# KiCad board TFLN_AI_NODE_X2.kicad_pcb
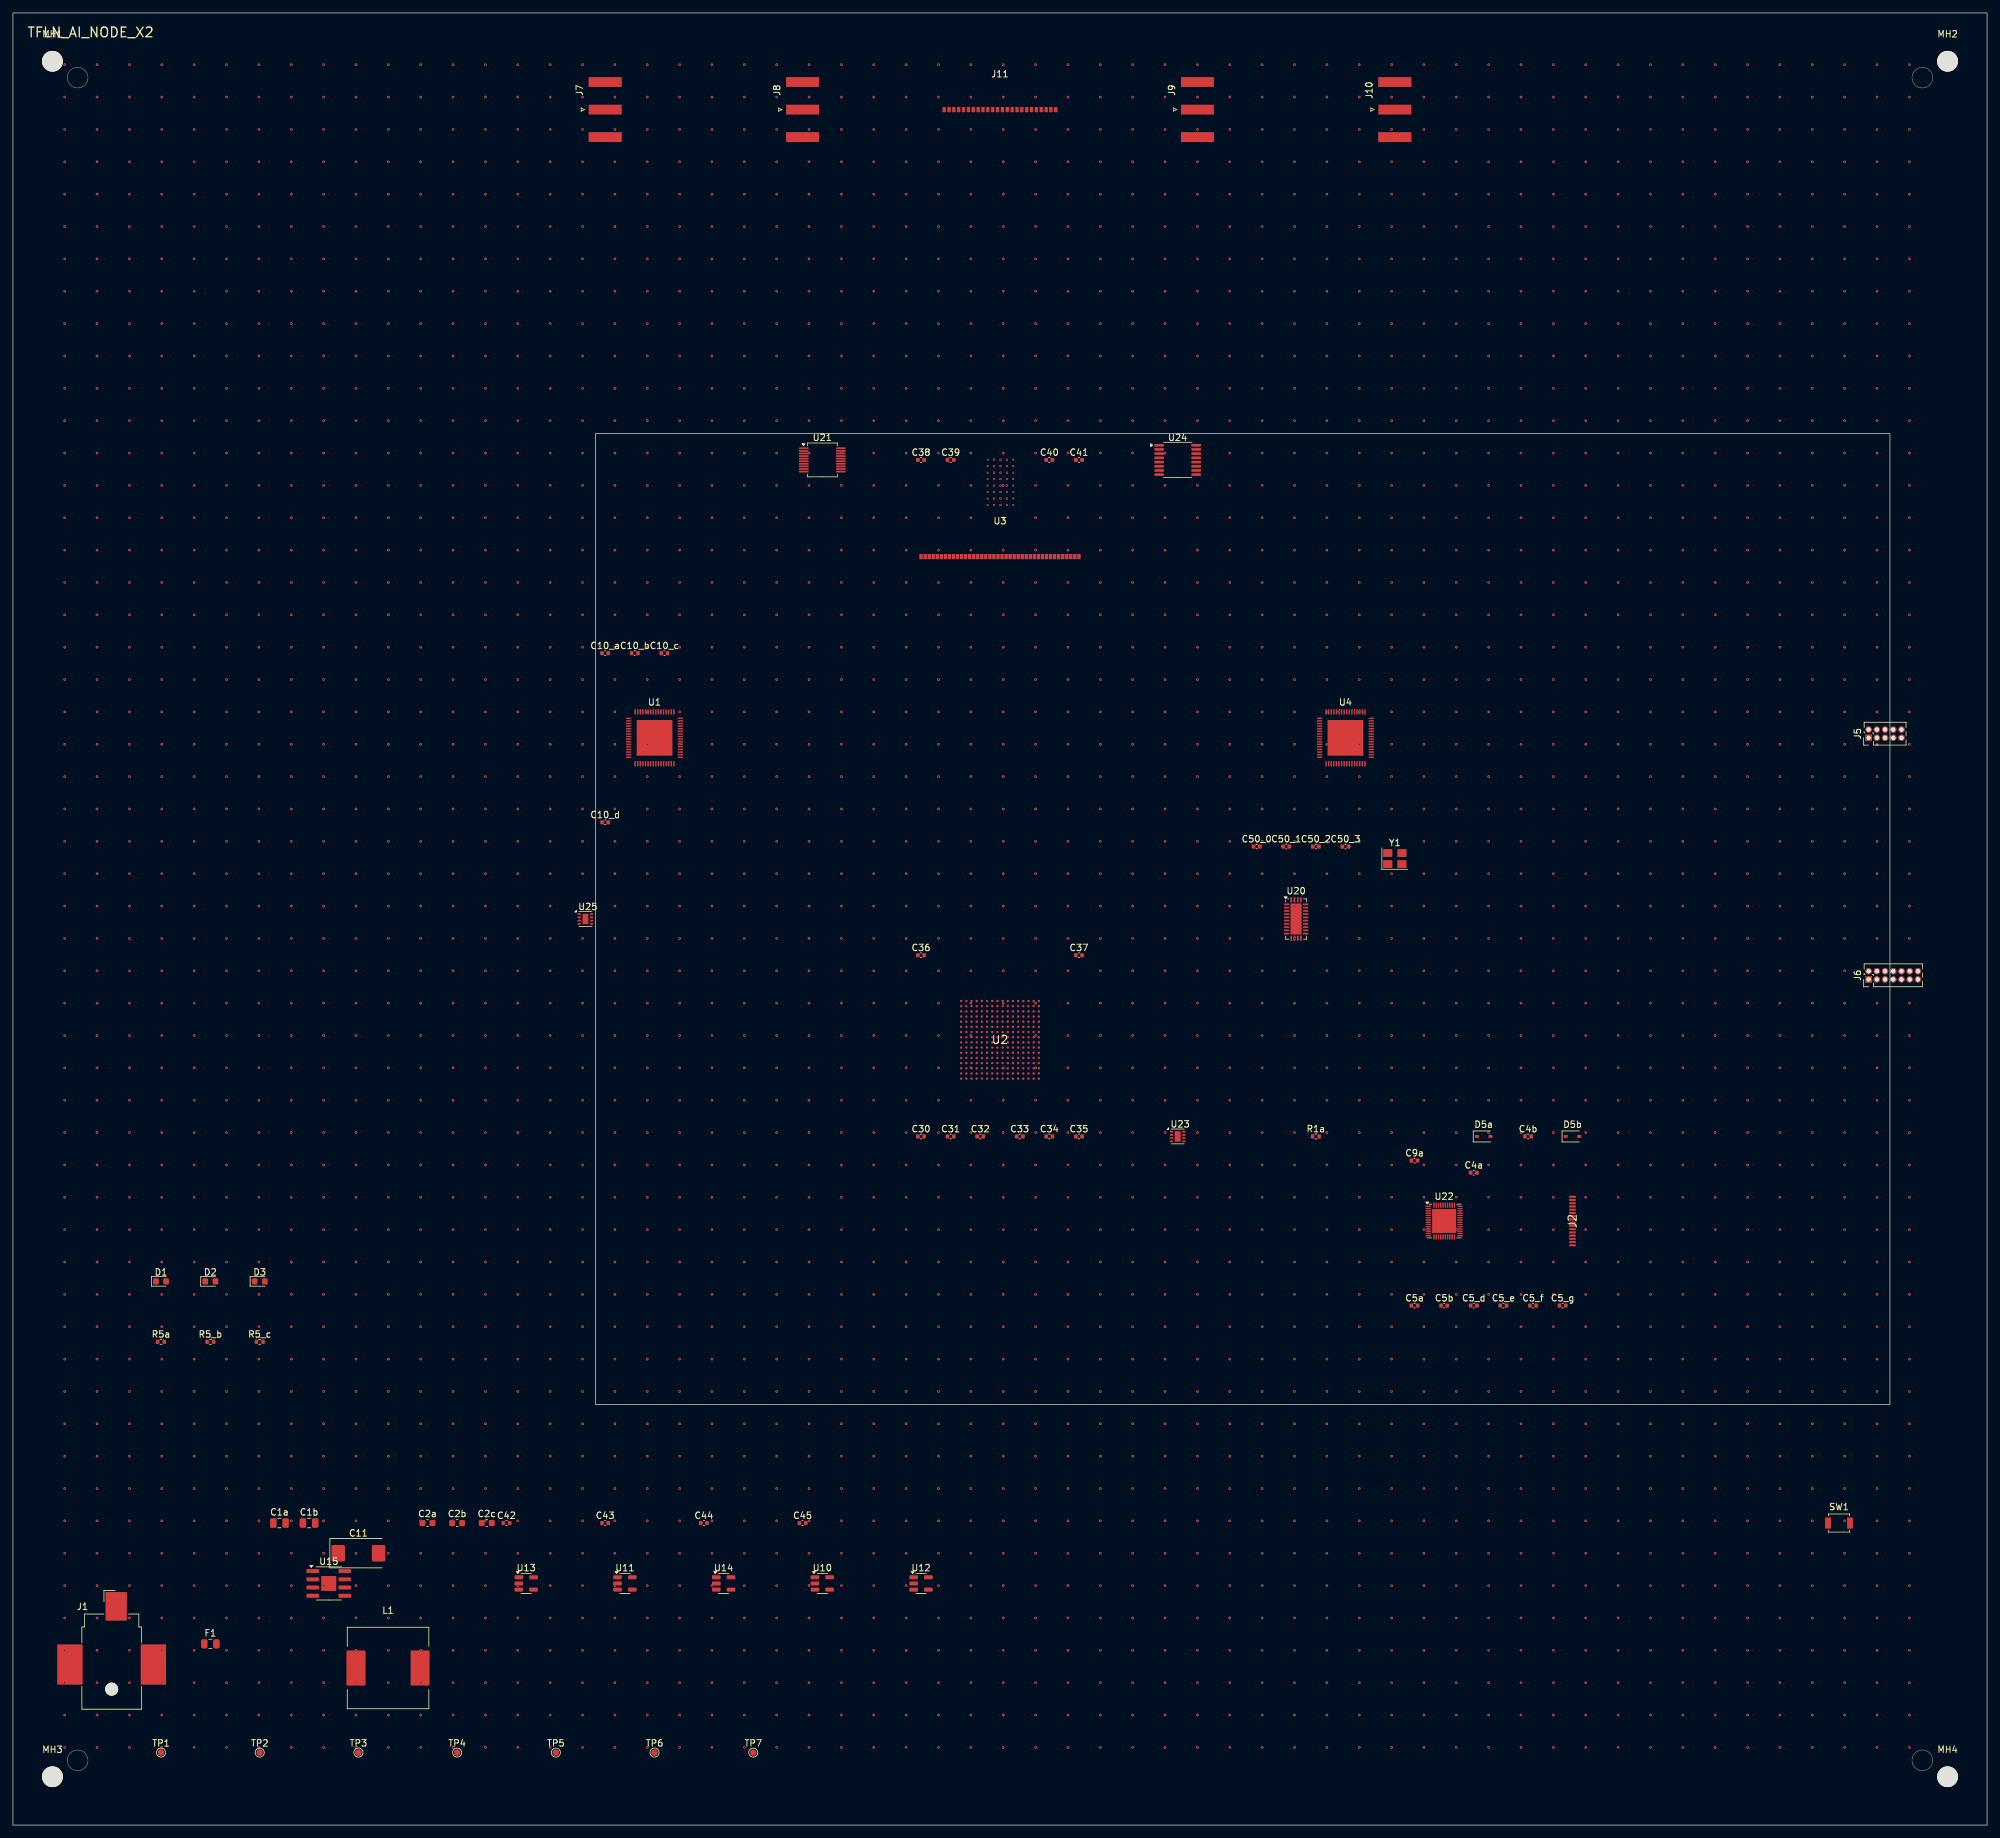
[diagram p0: board, top side]
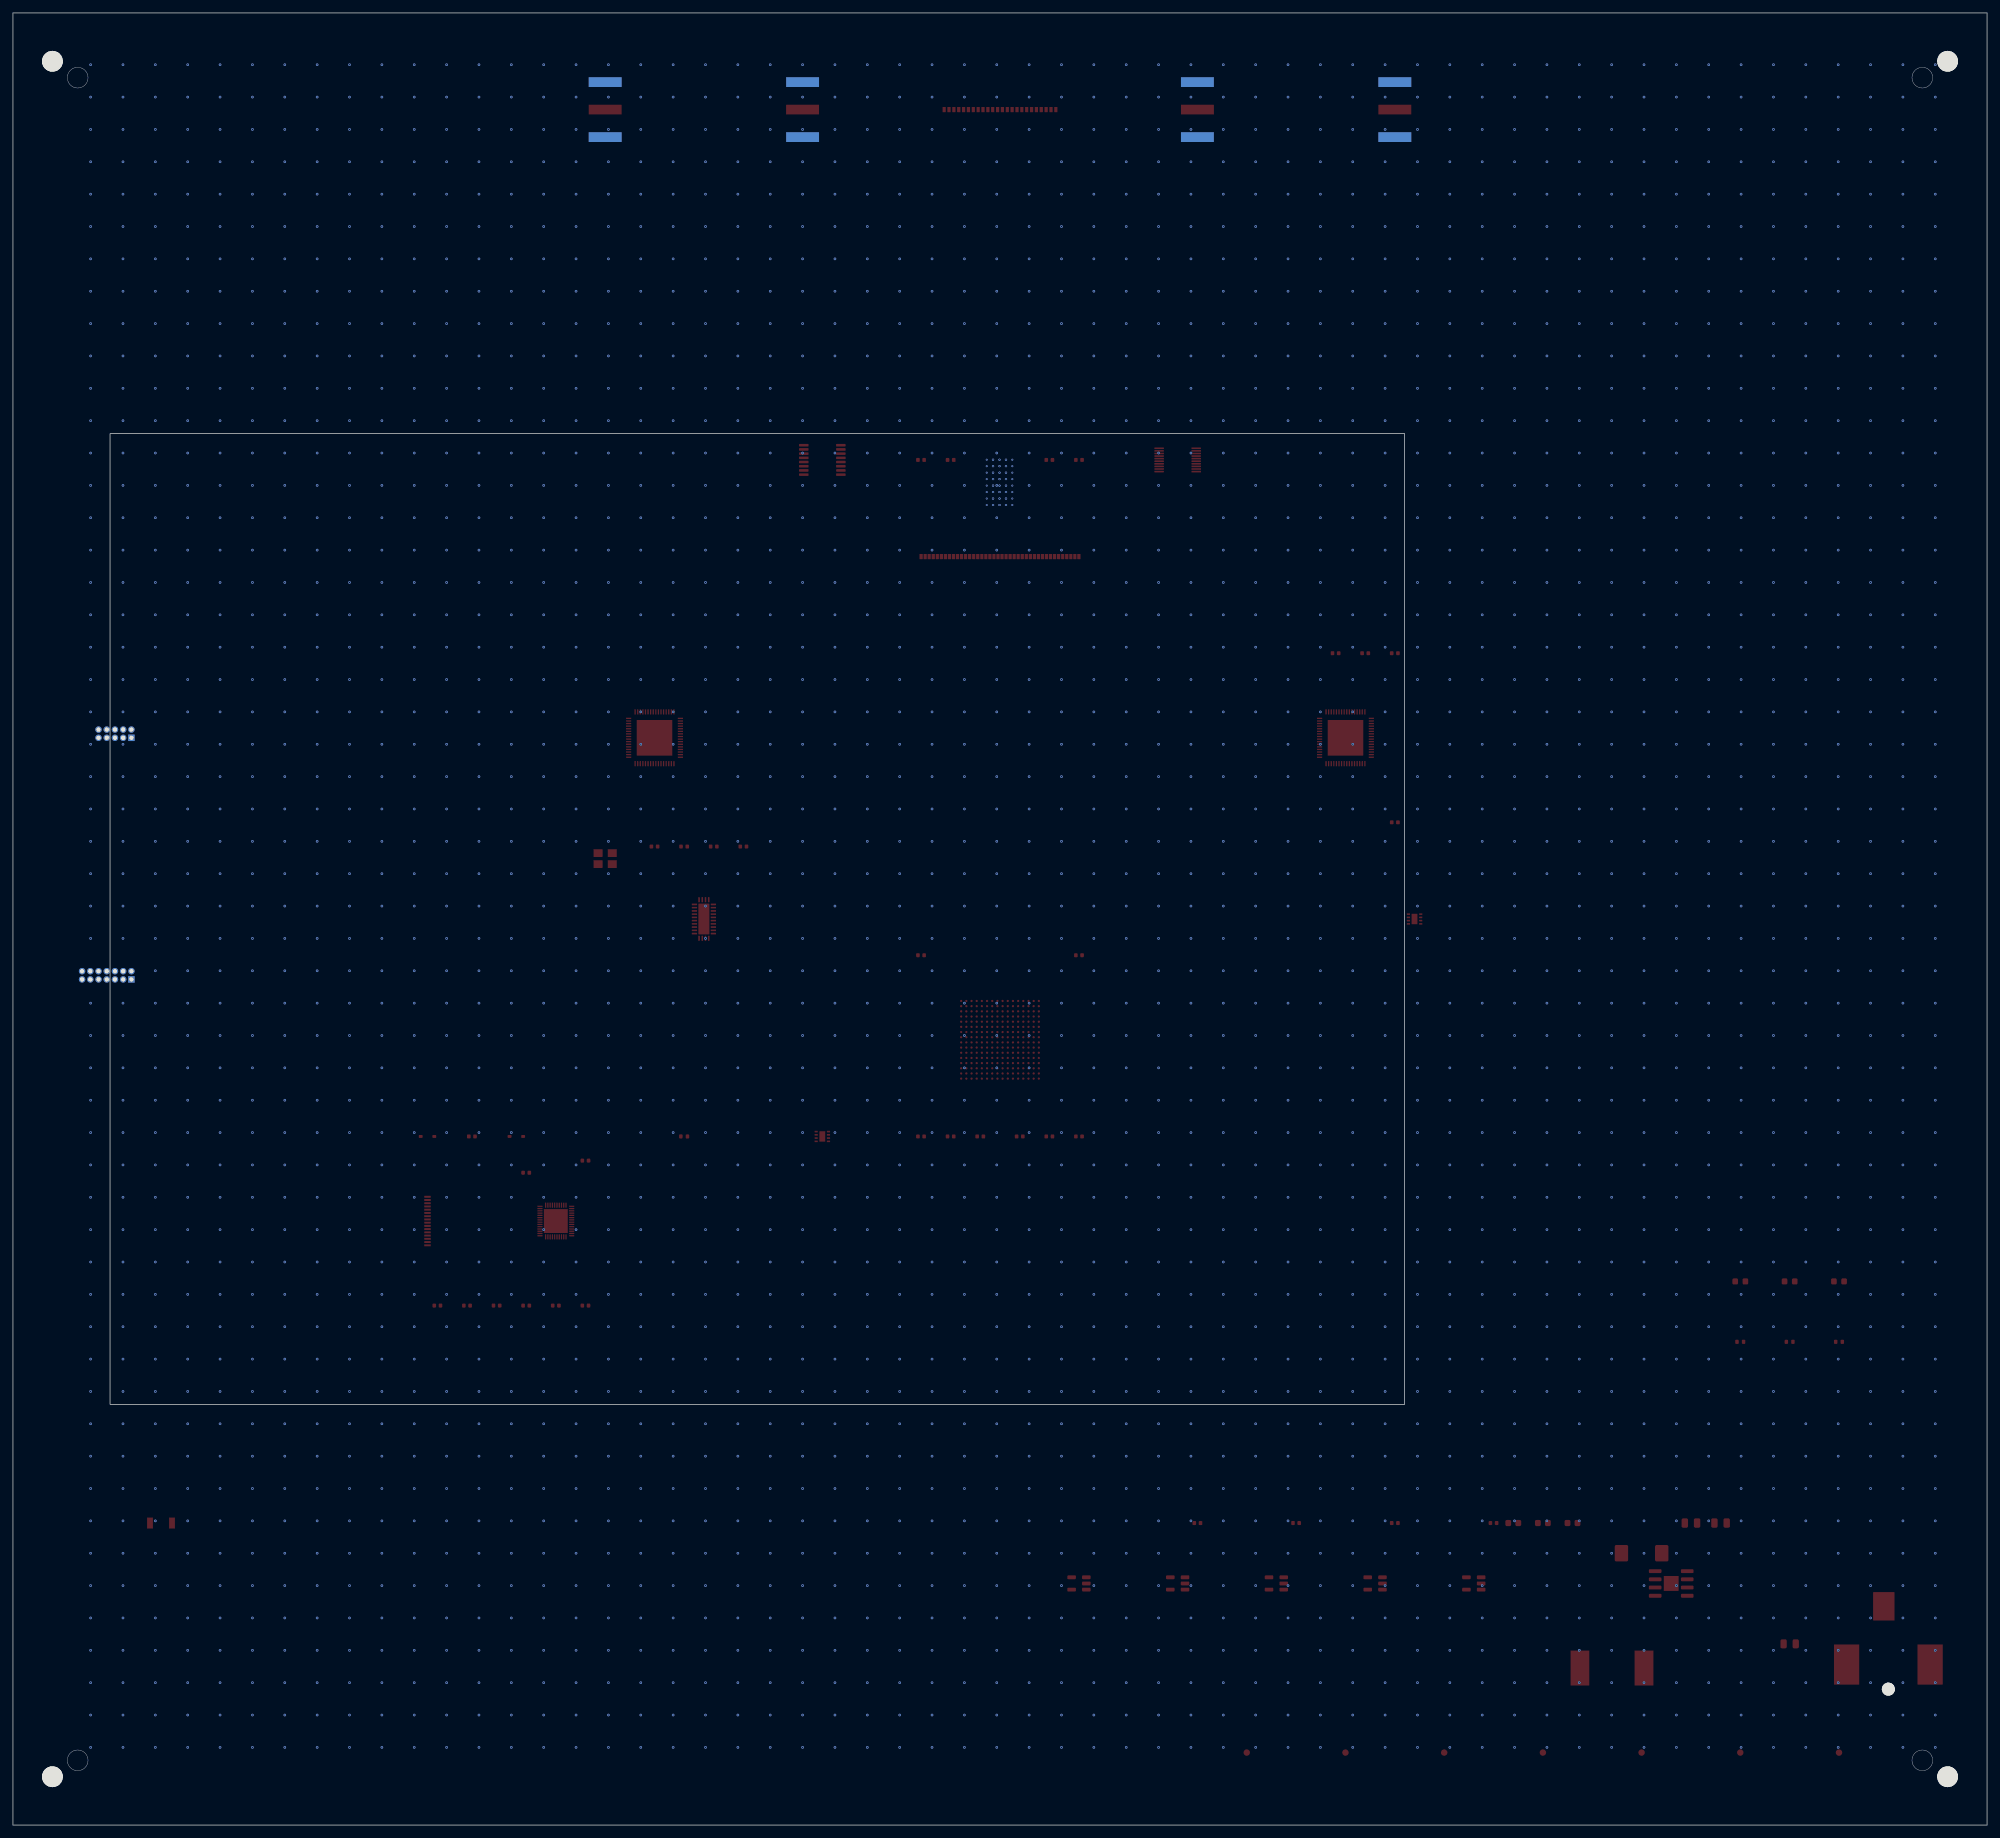
[diagram p1: board, bottom side, seen from below]

Outline 305 x 280 mm; copper layers: Top, In1.Cu (L2 Sig), In2.Cu (L3 GND), In3.Cu (L4 AXI), In4.Cu (L5 AXI_B), In5.Cu (L6 GND), In6.Cu (L7 TFLN/HBM), In7.Cu (L8 TFLN_B/HBM_B), In8.Cu (L9 GND), In9.Cu (L10 CLK), In10.Cu (L11 PWR 0V9), In11.Cu (L12 GND center), In12.Cu (L13 PWR 1V8), In13.Cu (L14 PWR 3V3), In14.Cu (L15 GND), In15.Cu (L16 Sig), In16.Cu (L17 Sig), In17.Cu (L18 Sig), In18.Cu (L19 Sig), In19.Cu (L20 Sig), In20.Cu (L21 GND), Bottom. Coordinates in mm from the lower left corner of the outline.
Outline path: circle c10,270 r1.6 ; circle c10,10 r1.6 ; rectangle 90,215 290,65 ; circle c295,270 r1.6 ; circle c295,10 r1.6 ; 0,280 305,280 305,0 0,0 0,280

## Placement (name value [footprint] x y rotation side)
C1a  22uF  [C_0805_2012Metric]  41.17 46.67 0 top
C1b  22uF  [C_0805_2012Metric]  45.75 46.67 0 top
C2a  10uF  [C_0603_1608Metric]  64.05 46.67 0 top
C2b  10uF  [C_0603_1608Metric]  68.62 46.67 0 top
C2c  10uF  [C_0603_1608Metric]  73.2 46.67 0 top
C4a  1uF  [C_0402_1005Metric]  225.7 100.8 0 top
C4b  1uF  [C_0402_1005Metric]  234.09 106.4 0 top
C5_d  100nF  [C_0402_1005Metric]  225.7 80.27 0 top
C5_e  100nF  [C_0402_1005Metric]  230.27 80.27 0 top
C5_f  100nF  [C_0402_1005Metric]  234.85 80.27 0 top
C5_g  100nF  [C_0402_1005Metric]  239.42 80.27 0 top
C5a  100nF  [C_0402_1005Metric]  216.55 80.27 0 top
C5b  100nF  [C_0402_1005Metric]  221.12 80.27 0 top
C9a  100nF  [C_0402_1005Metric]  216.55 102.67 0 top
C10_a  100nF  [C_0402_1005Metric]  91.5 181.07 0 top
C10_b  100nF  [C_0402_1005Metric]  96.07 181.07 0 top
C10_c  100nF  [C_0402_1005Metric]  100.65 181.07 0 top
C10_d  100nF  [C_0402_1005Metric]  91.5 154.93 0 top
C11  100uF  [CP_EIA-7343-15_Kemet-W]  53.38 42 0 top
C30  100nF  [C_0402_1005Metric]  140.3 106.4 0 top
C31  100nF  [C_0402_1005Metric]  144.88 106.4 0 top
C32  100nF  [C_0402_1005Metric]  149.45 106.4 0 top
C33  100nF  [C_0402_1005Metric]  155.55 106.4 0 top
C34  100nF  [C_0402_1005Metric]  160.12 106.4 0 top
C35  100nF  [C_0402_1005Metric]  164.7 106.4 0 top
C36  100nF  [C_0402_1005Metric]  140.3 134.4 0 top
C37  100nF  [C_0402_1005Metric]  164.7 134.4 0 top
C38  4.7uF  [C_0402_1005Metric]  140.3 210.93 0 top
C39  4.7uF  [C_0402_1005Metric]  144.88 210.93 0 top
C40  4.7uF  [C_0402_1005Metric]  160.12 210.93 0 top
C41  4.7uF  [C_0402_1005Metric]  164.7 210.93 0 top
C42  100nF  [C_0402_1005Metric]  76.25 46.67 0 top
C43  100nF  [C_0402_1005Metric]  91.5 46.67 0 top
C44  100nF  [C_0402_1005Metric]  106.75 46.67 0 top
C45  100nF  [C_0402_1005Metric]  122 46.67 0 top
C50_0  100nF  [C_0402_1005Metric]  192.15 151.2 0 top
C50_1  100nF  [C_0402_1005Metric]  196.72 151.2 0 top
C50_2  100nF  [C_0402_1005Metric]  201.3 151.2 0 top
C50_3  100nF  [C_0402_1005Metric]  205.88 151.2 0 top
D1  Green  [LED_0603_1608Metric]  22.88 84 0 top
D2  Blue  [LED_0603_1608Metric]  30.5 84 0 top
D3  Red  [LED_0603_1608Metric]  38.12 84 0 top
D5a  PRTR5V0U2X  [D_SOD-323]  227.22 106.4 0 top
D5b  PRTR5V0U2X  [D_SOD-323]  240.95 106.4 0 top
F1  2A  [Fuse_0805_2012Metric]  30.5 28 0 top
J1  DC_12V  [BarrelJack_CUI_PJ-036AH-SMT_Horizontal]  15.25 28 0 top
J2  USB-C  [USB_C_Numeric]  240.95 93.33 90 top
J5  JTAG  [PinHeader_2x05_P1.27mm_Vertical]  286.7 168 90 top
J6  GPIO  [PinHeader_2x07_P1.27mm_Vertical]  286.7 130.67 90 top
J7  SMA  [SMA_Amphenol_132289_EdgeMount]  91.5 265.07 0 top
J8  SMA  [SMA_Amphenol_132289_EdgeMount]  122 265.07 0 top
J9  SMA  [SMA_Amphenol_132289_EdgeMount]  183 265.07 0 top
J10  SMA  [SMA_Amphenol_132289_EdgeMount]  213.5 265.07 0 top
J11  -  [MPO-24]  152.5 265.07 0 top
L1  4.7uH  [L_12x12mm_H4.5mm]  57.95 24.27 0 top
MH1  M3  [MountingHole_3.2mm_M3]  6.1 272.53 0 top
MH2  M3  [MountingHole_3.2mm_M3]  298.9 272.53 0 top
MH3  M3  [MountingHole_3.2mm_M3]  6.1 7.47 0 top
MH4  M3  [MountingHole_3.2mm_M3]  298.9 7.47 0 top
R1a  10k  [R_0402_1005Metric]  201.3 106.4 0 top
R5_b  330  [R_0402_1005Metric]  30.5 74.67 0 top
R5_c  330  [R_0402_1005Metric]  38.12 74.67 0 top
R5a  330  [R_0402_1005Metric]  22.88 74.67 0 top
SW1  RESET  [SW_SPST_B3U-1000P]  282.12 46.67 0 top
TP1  +12V  [TestPoint_Pad_D1.0mm]  22.88 11.2 0 top
TP2  +5V  [TestPoint_Pad_D1.0mm]  38.12 11.2 0 top
TP3  +3V3  [TestPoint_Pad_D1.0mm]  53.38 11.2 0 top
TP4  +1V8  [TestPoint_Pad_D1.0mm]  68.62 11.2 0 top
TP5  +1V0  [TestPoint_Pad_D1.0mm]  83.88 11.2 0 top
TP6  +0V9  [TestPoint_Pad_D1.0mm]  99.12 11.2 0 top
TP7  GND  [TestPoint_Pad_D1.0mm]  114.38 11.2 0 top
U1  NCE_TEST_CHIP  [QFN-64_8x8mm_P0.4mm]  99.12 168 0 top
U2  XC7A100T  [BGA-256_Numeric]  152.5 121.33 0 top
U3  TFLN_PIC  [Custom_Optical_Module]  152.5 196 0 top
U4  NCE_TEST_CHIP_B  [QFN-64_8x8mm_P0.4mm]  205.88 168 0 top
U10  ADP7118  [TSOT-23-5]  125.05 37.33 0 top
U11  TPS7A2018  [SOT-23-5]  94.55 37.33 0 top
U12  TPS7A2010  [SOT-23-5]  140.3 37.33 0 top
U13  TPS7A3301  [SOT-23-5]  79.3 37.33 0 top
U14  TPS7A2018  [SOT-23-5]  109.8 37.33 0 top
U15  TPS54360  [HSOP-8-1EP_3.9x4.9mm_P1.27mm_EP2.3x2.3mm]  48.8 37.33 0 top
U20  Si5395A  [QFN-28-1EP_3x6mm_P0.5mm_EP1.7x4.75mm]  198.25 140 0 top
U21  AD7928  [TSSOP-20_4.4x5mm_P0.4mm]  125.05 210.93 0 top
U22  FT232H  [QFN-48-1EP_5x5mm_P0.35mm_EP3.7x3.7mm]  221.12 93.33 0 top
U23  W25Q128JVS  [WSON-8-1EP_2x2mm_P0.5mm_EP0.9x1.6mm]  179.95 106.4 0 top
U24  AD5684R  [TSSOP-16_4.4x5mm_P0.65mm]  179.95 210.93 0 top
U25  TMP461  [WSON-8-1EP_2x2mm_P0.5mm_EP0.9x1.6mm]  88.45 140 0 top
Y1  100MHz  [Crystal_SMD_3225-4Pin_3.2x2.5mm]  213.5 149.33 0 top

## Footprints (pads in the part's own frame, mm; a bottom-side part is the same pattern mirrored in y, then rotated)
BarrelJack_CUI_PJ-036AH-SMT_Horizontal
  round 2 hole 2 unplated: (0,-7)
  rect 3.3x4.4 smd: 1(0.7,5.8)
  rect 3.9x6.2 smd: 2(-6.45,-3.2) 3(6.45,-3.2)
BGA-256_Numeric
  round 0.35 smd: 1(-6,6) 2(-5.2,6) 3(-4.4,6) 4(-3.6,6) 5(-2.8,6) 6(-2,6) 7(-1.2,6) 8(-0.4,6) 9(0.4,6) 10(1.2,6) 11(2,6) 12(2.8,6) 13(3.6,6) 14(4.4,6) 15(5.2,6) 16(6,6) 17(-6,5.2) 18(-5.2,5.2) 19(-4.4,5.2) 20(-3.6,5.2) 21(-2.8,5.2) 22(-2,5.2) 23(-1.2,5.2) 24(-0.4,5.2) 25(0.4,5.2) 26(1.2,5.2) 27(2,5.2) 28(2.8,5.2) 29(3.6,5.2) 30(4.4,5.2) 31(5.2,5.2) 32(6,5.2) 33(-6,4.4) 34(-5.2,4.4) 35(-4.4,4.4) 36(-3.6,4.4) 37(-2.8,4.4) 38(-2,4.4) 39(-1.2,4.4) 40(-0.4,4.4) 41(0.4,4.4) 42(1.2,4.4) 43(2,4.4) 44(2.8,4.4) 45(3.6,4.4) 46(4.4,4.4) 47(5.2,4.4) 48(6,4.4) 49(-6,3.6) 50(-5.2,3.6) 51(-4.4,3.6) 52(-3.6,3.6) 53(-2.8,3.6) 54(-2,3.6) 55(-1.2,3.6) 56(-0.4,3.6) 57(0.4,3.6) 58(1.2,3.6) 59(2,3.6) 60(2.8,3.6) 61(3.6,3.6) 62(4.4,3.6) 63(5.2,3.6) 64(6,3.6) 65(-6,2.8) 66(-5.2,2.8) 67(-4.4,2.8) 68(-3.6,2.8) 69(-2.8,2.8) 70(-2,2.8) 71(-1.2,2.8) 72(-0.4,2.8) 73(0.4,2.8) 74(1.2,2.8) 75(2,2.8) 76(2.8,2.8) 77(3.6,2.8) 78(4.4,2.8) 79(5.2,2.8) 80(6,2.8) 81(-6,2) 82(-5.2,2) 83(-4.4,2) 84(-3.6,2) 85(-2.8,2) 86(-2,2) 87(-1.2,2) 88(-0.4,2) 89(0.4,2) 90(1.2,2) 91(2,2) 92(2.8,2) 93(3.6,2) 94(4.4,2) 95(5.2,2) 96(6,2) 97(-6,1.2) 98(-5.2,1.2) 99(-4.4,1.2) 100(-3.6,1.2) 101(-2.8,1.2) 102(-2,1.2) 103(-1.2,1.2) 104(-0.4,1.2) 105(0.4,1.2) 106(1.2,1.2) 107(2,1.2) 108(2.8,1.2) 109(3.6,1.2) 110(4.4,1.2) 111(5.2,1.2) 112(6,1.2) 113(-6,0.4) 114(-5.2,0.4) 115(-4.4,0.4) 116(-3.6,0.4) 117(-2.8,0.4) 118(-2,0.4) 119(-1.2,0.4) 120(-0.4,0.4) 121(0.4,0.4) 122(1.2,0.4) 123(2,0.4) 124(2.8,0.4) 125(3.6,0.4) 126(4.4,0.4) 127(5.2,0.4) 128(6,0.4) 129(-6,-0.4) 130(-5.2,-0.4) 131(-4.4,-0.4) 132(-3.6,-0.4) 133(-2.8,-0.4) 134(-2,-0.4) 135(-1.2,-0.4) 136(-0.4,-0.4) 137(0.4,-0.4) 138(1.2,-0.4) 139(2,-0.4) 140(2.8,-0.4) 141(3.6,-0.4) 142(4.4,-0.4) 143(5.2,-0.4) 144(6,-0.4) 145(-6,-1.2) 146(-5.2,-1.2) 147(-4.4,-1.2) 148(-3.6,-1.2) 149(-2.8,-1.2) 150(-2,-1.2) 151(-1.2,-1.2) 152(-0.4,-1.2) 153(0.4,-1.2) 154(1.2,-1.2) 155(2,-1.2) 156(2.8,-1.2) 157(3.6,-1.2) 158(4.4,-1.2) 159(5.2,-1.2) 160(6,-1.2) 161(-6,-2) 162(-5.2,-2) 163(-4.4,-2) 164(-3.6,-2) 165(-2.8,-2) 166(-2,-2) 167(-1.2,-2) 168(-0.4,-2) 169(0.4,-2) 170(1.2,-2) 171(2,-2) 172(2.8,-2) 173(3.6,-2) 174(4.4,-2) 175(5.2,-2) 176(6,-2) 177(-6,-2.8) 178(-5.2,-2.8) 179(-4.4,-2.8) 180(-3.6,-2.8) 181(-2.8,-2.8) 182(-2,-2.8) 183(-1.2,-2.8) 184(-0.4,-2.8) 185(0.4,-2.8) 186(1.2,-2.8) 187(2,-2.8) 188(2.8,-2.8) 189(3.6,-2.8) 190(4.4,-2.8) 191(5.2,-2.8) 192(6,-2.8) 193(-6,-3.6) 194(-5.2,-3.6) 195(-4.4,-3.6) 196(-3.6,-3.6) 197(-2.8,-3.6) 198(-2,-3.6) 199(-1.2,-3.6) 200(-0.4,-3.6) 201(0.4,-3.6) 202(1.2,-3.6) 203(2,-3.6) 204(2.8,-3.6) 205(3.6,-3.6) 206(4.4,-3.6) 207(5.2,-3.6) 208(6,-3.6) 209(-6,-4.4) 210(-5.2,-4.4) 211(-4.4,-4.4) 212(-3.6,-4.4) 213(-2.8,-4.4) 214(-2,-4.4) 215(-1.2,-4.4) 216(-0.4,-4.4) 217(0.4,-4.4) 218(1.2,-4.4) 219(2,-4.4) 220(2.8,-4.4) 221(3.6,-4.4) 222(4.4,-4.4) 223(5.2,-4.4) 224(6,-4.4) 225(-6,-5.2) 226(-5.2,-5.2) 227(-4.4,-5.2) 228(-3.6,-5.2) 229(-2.8,-5.2) 230(-2,-5.2) 231(-1.2,-5.2) 232(-0.4,-5.2) 233(0.4,-5.2) 234(1.2,-5.2) 235(2,-5.2) 236(2.8,-5.2) 237(3.6,-5.2) 238(4.4,-5.2) 239(5.2,-5.2) 240(6,-5.2) 241(-6,-6) 242(-5.2,-6) 243(-4.4,-6) 244(-3.6,-6) 245(-2.8,-6) 246(-2,-6) 247(-1.2,-6) 248(-0.4,-6) 249(0.4,-6) 250(1.2,-6) 251(2,-6) 252(2.8,-6) 253(3.6,-6) 254(4.4,-6) 255(5.2,-6) 256(6,-6)
C_0402_1005Metric
  rrect 0.56x0.62 smd: 1(-0.48,0) 2(0.48,0)
C_0603_1608Metric
  rrect 0.9x0.95 smd: 1(-0.775,0) 2(0.775,0)
C_0805_2012Metric
  rrect 1x1.45 smd: 1(-0.95,0) 2(0.95,0)
CP_EIA-7343-15_Kemet-W
  rrect 2.075x2.55 smd: 1(-3.112,0) 2(3.112,0)
Crystal_SMD_3225-4Pin_3.2x2.5mm
  rect 1.4x1.2 smd: 1(-1.1,-0.85) 2(1.1,-0.85) 3(1.1,0.85) 4(-1.1,0.85)
Custom_Optical_Module
  rect 0.5x0.8 smd: 1(-12.188,0) 2(-11.562,0) 3(-10.938,0) 4(-10.312,0) 5(-9.688,0) 6(-9.062,0) 7(-8.438,0) 8(-7.812,0) 9(-7.188,0) 10(-6.562,0) 11(-5.938,0) 12(-5.312,0) 13(-4.688,0) 14(-4.062,0) 15(-3.438,0) 16(-2.812,0) 17(-2.188,0) 18(-1.562,0) 19(-0.938,0) 20(-0.312,0) 21(0.312,0) 22(0.938,0) 23(1.562,0) 24(2.188,0) 25(2.812,0) 26(3.438,0) 27(4.062,0) 28(4.688,0) 29(5.312,0) 30(5.938,0) 31(6.562,0) 32(7.188,0) 33(7.812,0) 34(8.438,0) 35(9.062,0) 36(9.688,0) 37(10.312,0) 38(10.938,0) 39(11.562,0) 40(12.188,0)